# KiCad board SparkFun_Pro_Mini-ESP32_panelized.kicad_pcb (continued)
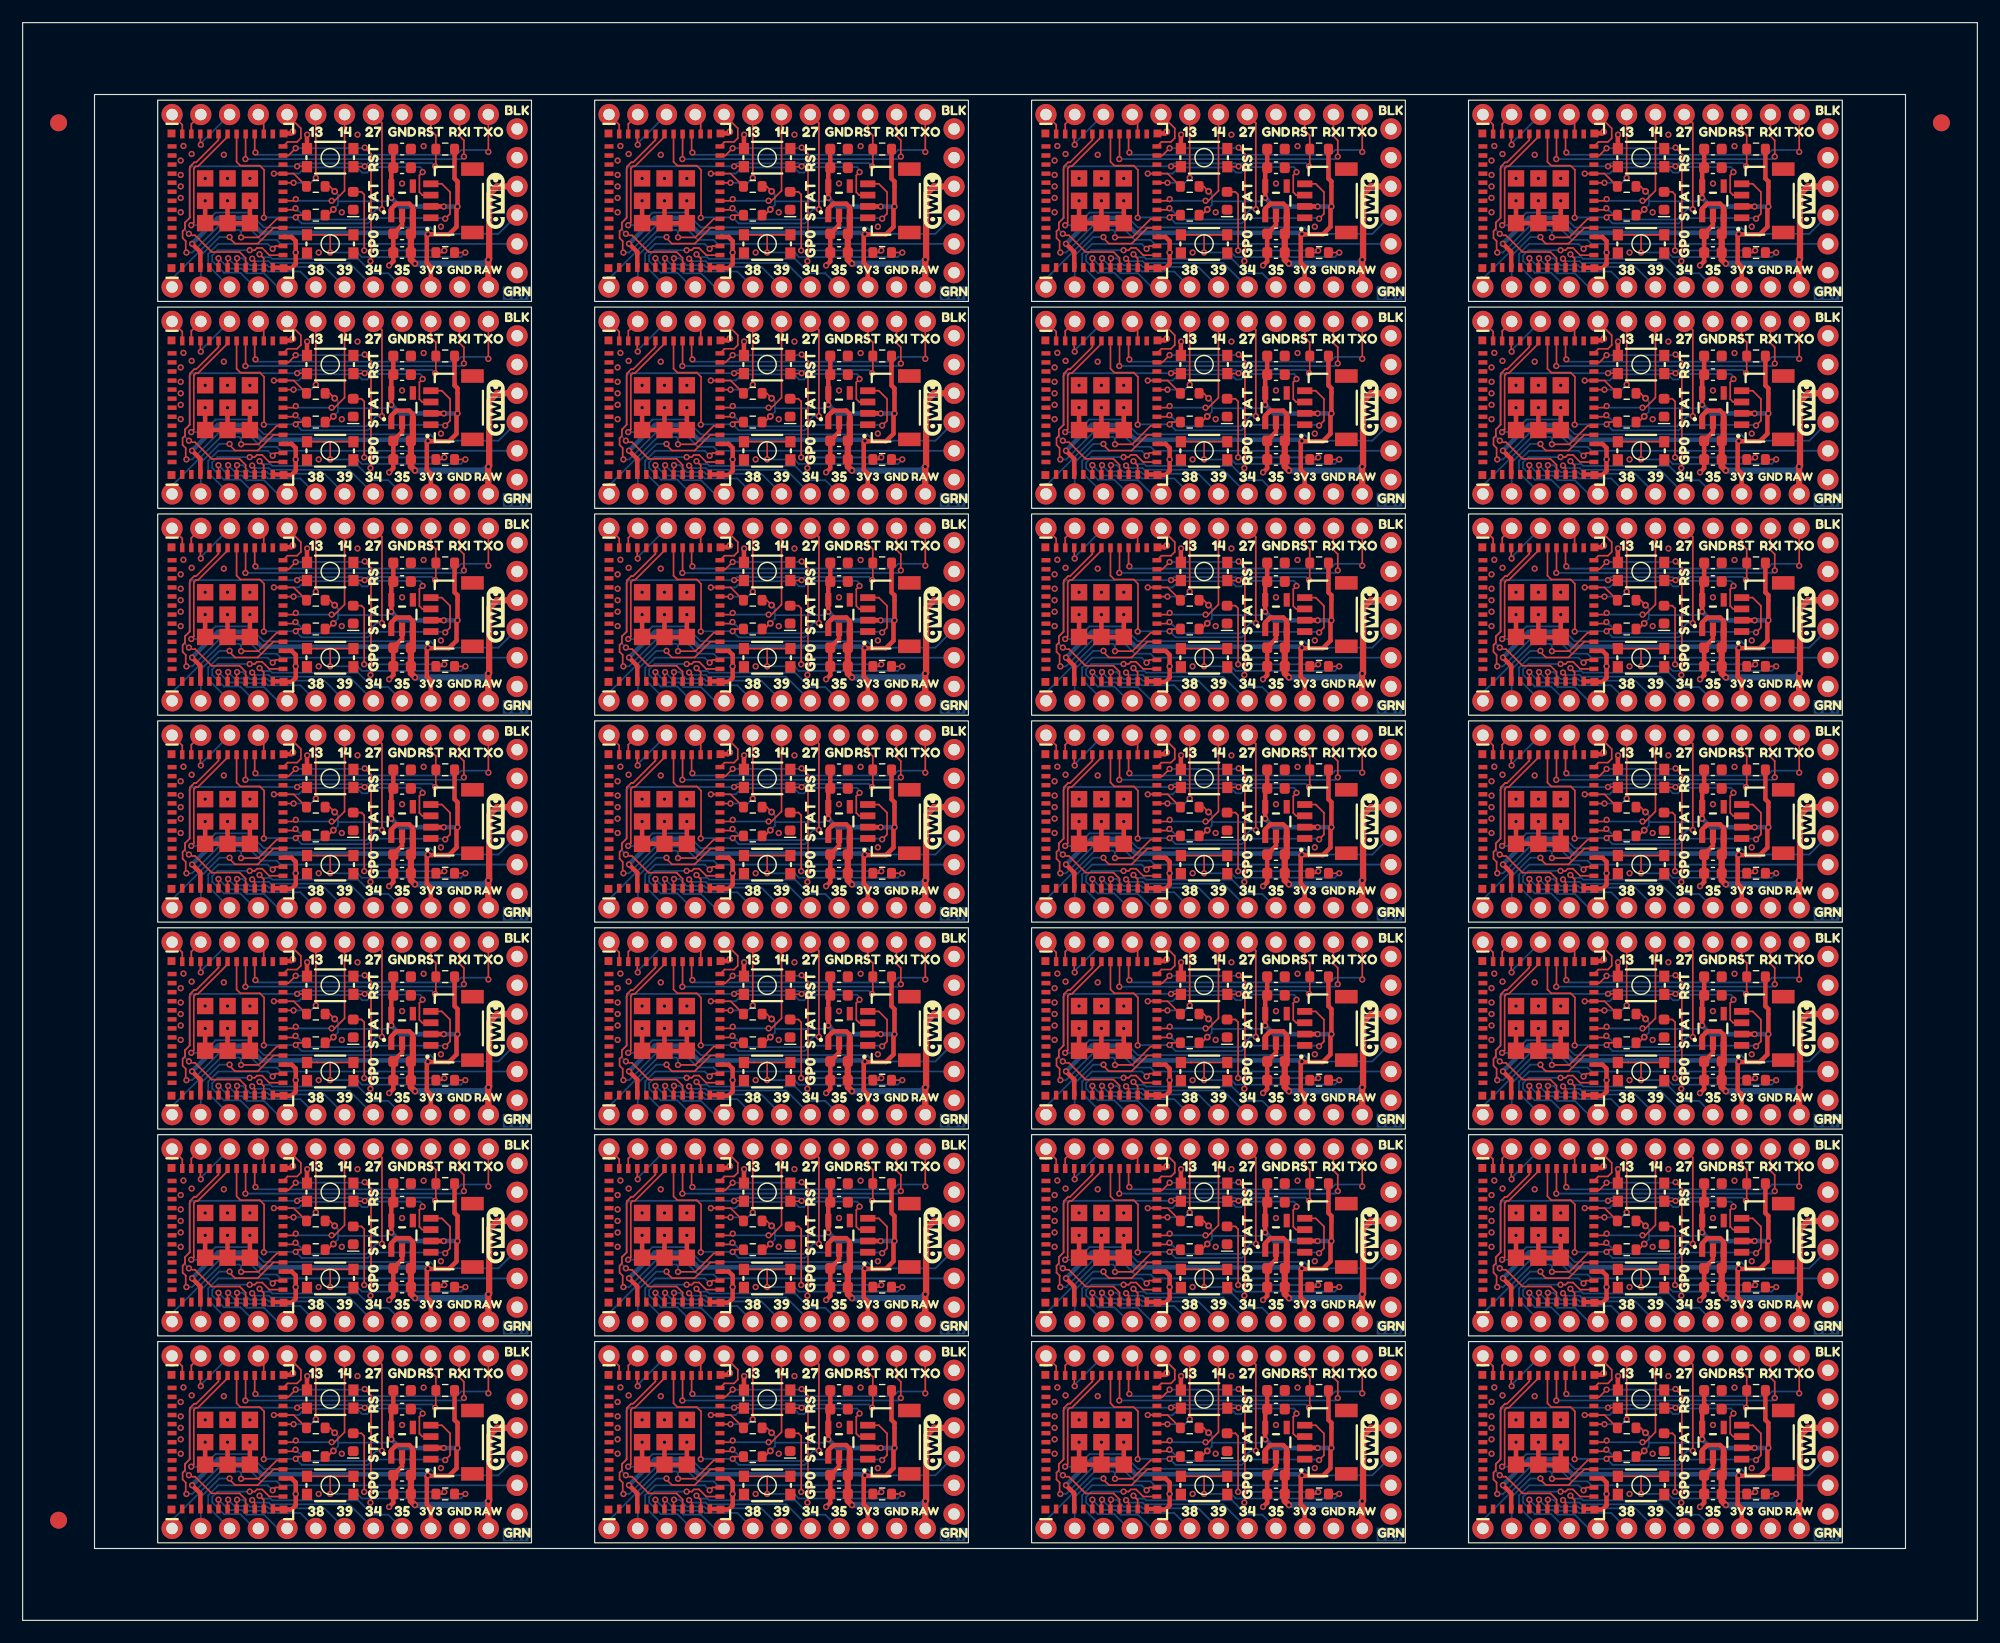
[diagram p0: board, top side]
## Placement (name value [footprint] x y rotation side) (continued)
kibuzzard-64DEDBD5#22  G***  [kibuzzard-64DEDBD5]  77.2 82.76 180 bottom
kibuzzard-64DEDBD5#23  G***  [kibuzzard-64DEDBD5]  154.4 46.2 180 bottom
kibuzzard-64DEDBD5#24  G***  [kibuzzard-64DEDBD5]  115.8 101.04 180 bottom
kibuzzard-64DEDBD5#25  G***  [kibuzzard-64DEDBD5]  38.6 101.04 180 bottom
kibuzzard-64DEDBD5#26  G***  [kibuzzard-64DEDBD5]  154.4 82.76 180 bottom
kibuzzard-64DEDBD5#27  G***  [kibuzzard-64DEDBD5]  38.6 64.48 180 bottom
kibuzzard-64DEDBD5#28  G***  [kibuzzard-64DEDBD5]  154.4 9.64 180 bottom
kibuzzard-64DEDBDA  G***  [kibuzzard-64DEDBDA]  118.34 82.76 180 bottom
kibuzzard-64DEDBDA#2  G***  [kibuzzard-64DEDBDA]  79.74 46.2 180 bottom
kibuzzard-64DEDBDA#3  G***  [kibuzzard-64DEDBDA]  41.14 101.04 180 bottom
kibuzzard-64DEDBDA#4  G***  [kibuzzard-64DEDBDA]  41.14 9.64 180 bottom
kibuzzard-64DEDBDA#5  G***  [kibuzzard-64DEDBDA]  118.34 46.2 180 bottom
kibuzzard-64DEDBDA#6  G***  [kibuzzard-64DEDBDA]  156.94 82.76 180 bottom
kibuzzard-64DEDBDA#7  G***  [kibuzzard-64DEDBDA]  156.94 9.64 180 bottom
kibuzzard-64DEDBDA#8  G***  [kibuzzard-64DEDBDA]  118.34 119.32 180 bottom
kibuzzard-64DEDBDA#9  G***  [kibuzzard-64DEDBDA]  79.74 9.64 180 bottom
kibuzzard-64DEDBDA#10  G***  [kibuzzard-64DEDBDA]  41.14 64.48 180 bottom
kibuzzard-64DEDBDA#11  G***  [kibuzzard-64DEDBDA]  156.94 46.2 180 bottom
kibuzzard-64DEDBDA#12  G***  [kibuzzard-64DEDBDA]  79.74 101.04 180 bottom
kibuzzard-64DEDBDA#13  G***  [kibuzzard-64DEDBDA]  118.34 101.04 180 bottom
kibuzzard-64DEDBDA#14  G***  [kibuzzard-64DEDBDA]  156.94 27.92 180 bottom
kibuzzard-64DEDBDA#15  G***  [kibuzzard-64DEDBDA]  79.74 119.32 180 bottom
kibuzzard-64DEDBDA#16  G***  [kibuzzard-64DEDBDA]  118.34 64.48 180 bottom
kibuzzard-64DEDBDA#17  G***  [kibuzzard-64DEDBDA]  79.74 82.76 180 bottom
kibuzzard-64DEDBDA#18  G***  [kibuzzard-64DEDBDA]  118.34 9.64 180 bottom
kibuzzard-64DEDBDA#19  G***  [kibuzzard-64DEDBDA]  41.14 46.2 180 bottom
kibuzzard-64DEDBDA#20  G***  [kibuzzard-64DEDBDA]  79.74 64.48 180 bottom
kibuzzard-64DEDBDA#21  G***  [kibuzzard-64DEDBDA]  156.94 119.32 180 bottom
kibuzzard-64DEDBDA#22  G***  [kibuzzard-64DEDBDA]  79.74 27.92 180 bottom
kibuzzard-64DEDBDA#23  G***  [kibuzzard-64DEDBDA]  118.34 27.92 180 bottom
kibuzzard-64DEDBDA#24  G***  [kibuzzard-64DEDBDA]  41.14 82.76 180 bottom
kibuzzard-64DEDBDA#25  G***  [kibuzzard-64DEDBDA]  156.94 64.48 180 bottom
kibuzzard-64DEDBDA#26  G***  [kibuzzard-64DEDBDA]  156.94 101.04 180 bottom
kibuzzard-64DEDBDA#27  G***  [kibuzzard-64DEDBDA]  41.14 27.92 180 bottom
kibuzzard-64DEDBDA#28  G***  [kibuzzard-64DEDBDA]  41.14 119.32 180 bottom
kibuzzard-64DEDCED  G***  [kibuzzard-64DEDCED]  41.14 21.84 0 top
kibuzzard-64DEDCED#2  G***  [kibuzzard-64DEDCED]  118.34 131.52 0 top
kibuzzard-64DEDCED#3  G***  [kibuzzard-64DEDCED]  118.34 94.96 0 top
kibuzzard-64DEDCED#4  G***  [kibuzzard-64DEDCED]  118.34 113.24 0 top
kibuzzard-64DEDCED#5  G***  [kibuzzard-64DEDCED]  41.14 131.52 0 top
kibuzzard-64DEDCED#6  G***  [kibuzzard-64DEDCED]  41.14 40.12 0 top
kibuzzard-64DEDCED#7  G***  [kibuzzard-64DEDCED]  156.94 131.52 0 top
kibuzzard-64DEDCED#8  G***  [kibuzzard-64DEDCED]  156.94 58.4 0 top
kibuzzard-64DEDCED#9  G***  [kibuzzard-64DEDCED]  118.34 21.84 0 top
kibuzzard-64DEDCED#10  G***  [kibuzzard-64DEDCED]  156.94 40.12 0 top
kibuzzard-64DEDCED#11  G***  [kibuzzard-64DEDCED]  79.74 76.68 0 top
kibuzzard-64DEDCED#12  G***  [kibuzzard-64DEDCED]  41.14 94.96 0 top
kibuzzard-64DEDCED#13  G***  [kibuzzard-64DEDCED]  118.34 76.68 0 top
kibuzzard-64DEDCED#14  G***  [kibuzzard-64DEDCED]  41.14 113.24 0 top
kibuzzard-64DEDCED#15  G***  [kibuzzard-64DEDCED]  156.94 21.84 0 top
kibuzzard-64DEDCED#16  G***  [kibuzzard-64DEDCED]  156.94 94.96 0 top
kibuzzard-64DEDCED#17  G***  [kibuzzard-64DEDCED]  41.14 58.4 0 top
kibuzzard-64DEDCED#18  G***  [kibuzzard-64DEDCED]  79.74 94.96 0 top
kibuzzard-64DEDCED#19  G***  [kibuzzard-64DEDCED]  41.14 76.68 0 top
kibuzzard-64DEDCED#20  G***  [kibuzzard-64DEDCED]  79.74 40.12 0 top
kibuzzard-64DEDCED#21  G***  [kibuzzard-64DEDCED]  79.74 131.52 0 top
kibuzzard-64DEDCED#22  G***  [kibuzzard-64DEDCED]  118.34 40.12 0 top
kibuzzard-64DEDCED#23  G***  [kibuzzard-64DEDCED]  118.34 58.4 0 top
kibuzzard-64DEDCED#24  G***  [kibuzzard-64DEDCED]  156.94 76.68 0 top
kibuzzard-64DEDCED#25  G***  [kibuzzard-64DEDCED]  79.74 21.84 0 top
kibuzzard-64DEDCED#26  G***  [kibuzzard-64DEDCED]  79.74 58.4 0 top
kibuzzard-64DEDCED#27  G***  [kibuzzard-64DEDCED]  79.74 113.24 0 top
kibuzzard-64DEDCED#28  G***  [kibuzzard-64DEDCED]  156.94 113.24 0 top
kibuzzard-64DEDCED#29  G***  [kibuzzard-64DEDCED]  42.16 121.61 270 bottom
kibuzzard-64DEDCED#30  G***  [kibuzzard-64DEDCED]  80.76 103.33 270 bottom
kibuzzard-64DEDCED#31  G***  [kibuzzard-64DEDCED]  157.96 103.33 270 bottom
kibuzzard-64DEDCED#32  G***  [kibuzzard-64DEDCED]  157.96 66.77 270 bottom
kibuzzard-64DEDCED#33  G***  [kibuzzard-64DEDCED]  42.16 48.49 270 bottom
kibuzzard-64DEDCED#34  G***  [kibuzzard-64DEDCED]  80.76 30.21 270 bottom
kibuzzard-64DEDCED#35  G***  [kibuzzard-64DEDCED]  42.16 11.93 270 bottom
kibuzzard-64DEDCED#36  G***  [kibuzzard-64DEDCED]  80.76 48.49 270 bottom
kibuzzard-64DEDCED#37  G***  [kibuzzard-64DEDCED]  119.36 30.21 270 bottom
kibuzzard-64DEDCED#38  G***  [kibuzzard-64DEDCED]  80.76 85.05 270 bottom
kibuzzard-64DEDCED#39  G***  [kibuzzard-64DEDCED]  80.76 11.93 270 bottom
kibuzzard-64DEDCED#40  G***  [kibuzzard-64DEDCED]  80.76 121.61 270 bottom
kibuzzard-64DEDCED#41  G***  [kibuzzard-64DEDCED]  157.96 85.05 270 bottom
kibuzzard-64DEDCED#42  G***  [kibuzzard-64DEDCED]  80.76 66.77 270 bottom
kibuzzard-64DEDCED#43  G***  [kibuzzard-64DEDCED]  157.96 30.21 270 bottom
kibuzzard-64DEDCED#44  G***  [kibuzzard-64DEDCED]  119.36 85.05 270 bottom
kibuzzard-64DEDCED#45  G***  [kibuzzard-64DEDCED]  119.36 66.77 270 bottom
kibuzzard-64DEDCED#46  G***  [kibuzzard-64DEDCED]  119.36 103.33 270 bottom
kibuzzard-64DEDCED#47  G***  [kibuzzard-64DEDCED]  157.96 48.49 270 bottom
kibuzzard-64DEDCED#48  G***  [kibuzzard-64DEDCED]  42.16 103.33 270 bottom
kibuzzard-64DEDCED#49  G***  [kibuzzard-64DEDCED]  119.36 48.49 270 bottom
kibuzzard-64DEDCED#50  G***  [kibuzzard-64DEDCED]  157.96 11.93 270 bottom
kibuzzard-64DEDCED#51  G***  [kibuzzard-64DEDCED]  157.96 121.61 270 bottom
kibuzzard-64DEDCED#52  G***  [kibuzzard-64DEDCED]  119.36 11.93 270 bottom
kibuzzard-64DEDCED#53  G***  [kibuzzard-64DEDCED]  42.16 66.77 270 bottom
kibuzzard-64DEDCED#54  G***  [kibuzzard-64DEDCED]  119.36 121.61 270 bottom
kibuzzard-64DEDCED#55  G***  [kibuzzard-64DEDCED]  42.16 85.05 270 bottom
kibuzzard-64DEDCED#56  G***  [kibuzzard-64DEDCED]  42.16 30.21 270 bottom
kibuzzard-64DEDCF2  G***  [kibuzzard-64DEDCF2]  38.6 113.24 0 top
kibuzzard-64DEDCF2#2  G***  [kibuzzard-64DEDCF2]  154.4 113.24 0 top
kibuzzard-64DEDCF2#3  G***  [kibuzzard-64DEDCF2]  154.4 76.68 0 top
kibuzzard-64DEDCF2#4  G***  [kibuzzard-64DEDCF2]  38.6 21.84 0 top
kibuzzard-64DEDCF2#5  G***  [kibuzzard-64DEDCF2]  38.6 58.4 0 top
kibuzzard-64DEDCF2#6  G***  [kibuzzard-64DEDCF2]  77.2 58.4 0 top
kibuzzard-64DEDCF2#7  G***  [kibuzzard-64DEDCF2]  38.6 94.96 0 top
kibuzzard-64DEDCF2#8  G***  [kibuzzard-64DEDCF2]  77.2 131.52 0 top
kibuzzard-64DEDCF2#9  G***  [kibuzzard-64DEDCF2]  115.8 94.96 0 top
kibuzzard-64DEDCF2#10  G***  [kibuzzard-64DEDCF2]  38.6 76.68 0 top
kibuzzard-64DEDCF2#11  G***  [kibuzzard-64DEDCF2]  77.2 40.12 0 top
kibuzzard-64DEDCF2#12  G***  [kibuzzard-64DEDCF2]  154.4 94.96 0 top
kibuzzard-64DEDCF2#13  G***  [kibuzzard-64DEDCF2]  154.4 58.4 0 top
kibuzzard-64DEDCF2#14  G***  [kibuzzard-64DEDCF2]  154.4 21.84 0 top
kibuzzard-64DEDCF2#15  G***  [kibuzzard-64DEDCF2]  77.2 94.96 0 top
kibuzzard-64DEDCF2#16  G***  [kibuzzard-64DEDCF2]  154.4 131.52 0 top
kibuzzard-64DEDCF2#17  G***  [kibuzzard-64DEDCF2]  115.8 58.4 0 top
kibuzzard-64DEDCF2#18  G***  [kibuzzard-64DEDCF2]  115.8 76.68 0 top
kibuzzard-64DEDCF2#19  G***  [kibuzzard-64DEDCF2]  77.2 113.24 0 top
kibuzzard-64DEDCF2#20  G***  [kibuzzard-64DEDCF2]  154.4 40.12 0 top
kibuzzard-64DEDCF2#21  G***  [kibuzzard-64DEDCF2]  115.8 113.24 0 top
kibuzzard-64DEDCF2#22  G***  [kibuzzard-64DEDCF2]  38.6 40.12 0 top
kibuzzard-64DEDCF2#23  G***  [kibuzzard-64DEDCF2]  77.2 21.84 0 top
kibuzzard-64DEDCF2#24  G***  [kibuzzard-64DEDCF2]  38.6 131.52 0 top
kibuzzard-64DEDCF2#25  G***  [kibuzzard-64DEDCF2]  115.8 21.84 0 top
kibuzzard-64DEDCF2#26  G***  [kibuzzard-64DEDCF2]  115.8 131.52 0 top
kibuzzard-64DEDCF2#27  G***  [kibuzzard-64DEDCF2]  115.8 40.12 0 top
kibuzzard-64DEDCF2#28  G***  [kibuzzard-64DEDCF2]  77.2 76.68 0 top
kibuzzard-64DEDCF2#29  G***  [kibuzzard-64DEDCF2]  119.36 14.47 270 bottom
kibuzzard-64DEDCF2#30  G***  [kibuzzard-64DEDCF2]  157.96 87.59 270 bottom
kibuzzard-64DEDCF2#31  G***  [kibuzzard-64DEDCF2]  80.76 69.31 270 bottom
kibuzzard-64DEDCF2#32  G***  [kibuzzard-64DEDCF2]  80.76 14.47 270 bottom
kibuzzard-64DEDCF2#33  G***  [kibuzzard-64DEDCF2]  42.16 32.75 270 bottom
kibuzzard-64DEDCF2#34  G***  [kibuzzard-64DEDCF2]  157.96 51.03 270 bottom
kibuzzard-64DEDCF2#35  G***  [kibuzzard-64DEDCF2]  42.16 14.47 270 bottom
kibuzzard-64DEDCF2#36  G***  [kibuzzard-64DEDCF2]  80.76 32.75 270 bottom
kibuzzard-64DEDCF2#37  G***  [kibuzzard-64DEDCF2]  119.36 51.03 270 bottom
kibuzzard-64DEDCF2#38  G***  [kibuzzard-64DEDCF2]  42.16 87.59 270 bottom
kibuzzard-64DEDCF2#39  G***  [kibuzzard-64DEDCF2]  157.96 124.15 270 bottom
kibuzzard-64DEDCF2#40  G***  [kibuzzard-64DEDCF2]  157.96 32.75 270 bottom
kibuzzard-64DEDCF2#41  G***  [kibuzzard-64DEDCF2]  80.76 87.59 270 bottom
kibuzzard-64DEDCF2#42  G***  [kibuzzard-64DEDCF2]  42.16 105.87 270 bottom
kibuzzard-64DEDCF2#43  G***  [kibuzzard-64DEDCF2]  42.16 51.03 270 bottom
kibuzzard-64DEDCF2#44  G***  [kibuzzard-64DEDCF2]  42.16 124.15 270 bottom
kibuzzard-64DEDCF2#45  G***  [kibuzzard-64DEDCF2]  157.96 105.87 270 bottom
kibuzzard-64DEDCF2#46  G***  [kibuzzard-64DEDCF2]  119.36 105.87 270 bottom
kibuzzard-64DEDCF2#47  G***  [kibuzzard-64DEDCF2]  157.96 69.31 270 bottom
kibuzzard-64DEDCF2#48  G***  [kibuzzard-64DEDCF2]  119.36 124.15 270 bottom
kibuzzard-64DEDCF2#49  G***  [kibuzzard-64DEDCF2]  42.16 69.31 270 bottom
kibuzzard-64DEDCF2#50  G***  [kibuzzard-64DEDCF2]  80.76 51.03 270 bottom
kibuzzard-64DEDCF2#51  G***  [kibuzzard-64DEDCF2]  119.36 32.75 270 bottom
kibuzzard-64DEDCF2#52  G***  [kibuzzard-64DEDCF2]  80.76 124.15 270 bottom
kibuzzard-64DEDCF2#53  G***  [kibuzzard-64DEDCF2]  119.36 87.59 270 bottom
kibuzzard-64DEDCF2#54  G***  [kibuzzard-64DEDCF2]  119.36 69.31 270 bottom
kibuzzard-64DEDCF2#55  G***  [kibuzzard-64DEDCF2]  157.96 14.47 270 bottom
kibuzzard-64DEDCF2#56  G***  [kibuzzard-64DEDCF2]  80.76 105.87 270 bottom
kibuzzard-64DEDD0E  G***  [kibuzzard-64DEDD0E]  41.14 82.76 0 top
kibuzzard-64DEDD0E#2  G***  [kibuzzard-64DEDD0E]  118.34 82.76 0 top
kibuzzard-64DEDD0E#3  G***  [kibuzzard-64DEDD0E]  41.14 27.92 0 top
kibuzzard-64DEDD0E#4  G***  [kibuzzard-64DEDD0E]  79.74 64.48 0 top
kibuzzard-64DEDD0E#5  G***  [kibuzzard-64DEDD0E]  156.94 9.64 0 top
kibuzzard-64DEDD0E#6  G***  [kibuzzard-64DEDD0E]  156.94 101.04 0 top
kibuzzard-64DEDD0E#7  G***  [kibuzzard-64DEDD0E]  156.94 46.2 0 top
kibuzzard-64DEDD0E#8  G***  [kibuzzard-64DEDD0E]  118.34 27.92 0 top
kibuzzard-64DEDD0E#9  G***  [kibuzzard-64DEDD0E]  41.14 9.64 0 top
kibuzzard-64DEDD0E#10  G***  [kibuzzard-64DEDD0E]  118.34 101.04 0 top
kibuzzard-64DEDD0E#11  G***  [kibuzzard-64DEDD0E]  79.74 27.92 0 top
kibuzzard-64DEDD0E#12  G***  [kibuzzard-64DEDD0E]  118.34 9.64 0 top
kibuzzard-64DEDD0E#13  G***  [kibuzzard-64DEDD0E]  79.74 101.04 0 top
kibuzzard-64DEDD0E#14  G***  [kibuzzard-64DEDD0E]  41.14 46.2 0 top
kibuzzard-64DEDD0E#15  G***  [kibuzzard-64DEDD0E]  156.94 119.32 0 top
kibuzzard-64DEDD0E#16  G***  [kibuzzard-64DEDD0E]  79.74 119.32 0 top
kibuzzard-64DEDD0E#17  G***  [kibuzzard-64DEDD0E]  156.94 82.76 0 top
kibuzzard-64DEDD0E#18  G***  [kibuzzard-64DEDD0E]  118.34 119.32 0 top
kibuzzard-64DEDD0E#19  G***  [kibuzzard-64DEDD0E]  79.74 9.64 0 top
kibuzzard-64DEDD0E#20  G***  [kibuzzard-64DEDD0E]  79.74 82.76 0 top
kibuzzard-64DEDD0E#21  G***  [kibuzzard-64DEDD0E]  41.14 119.32 0 top
kibuzzard-64DEDD0E#22  G***  [kibuzzard-64DEDD0E]  118.34 64.48 0 top
kibuzzard-64DEDD0E#23  G***  [kibuzzard-64DEDD0E]  156.94 64.48 0 top
kibuzzard-64DEDD0E#24  G***  [kibuzzard-64DEDD0E]  118.34 46.2 0 top
kibuzzard-64DEDD0E#25  G***  [kibuzzard-64DEDD0E]  156.94 27.92 0 top
kibuzzard-64DEDD0E#26  G***  [kibuzzard-64DEDD0E]  79.74 46.2 0 top
kibuzzard-64DEDD0E#27  G***  [kibuzzard-64DEDD0E]  41.14 101.04 0 top
kibuzzard-64DEDD0E#28  G***  [kibuzzard-64DEDD0E]  41.14 64.48 0 top
kibuzzard-64DEDD6B  G***  [kibuzzard-64DEDD6B]  144.24 85.05 180 bottom
kibuzzard-64DEDD6B#2  G***  [kibuzzard-64DEDD6B]  28.44 103.33 180 bottom
kibuzzard-64DEDD6B#3  G***  [kibuzzard-64DEDD6B]  28.44 11.93 180 bottom
kibuzzard-64DEDD6B#4  G***  [kibuzzard-64DEDD6B]  67.04 85.05 180 bottom
kibuzzard-64DEDD6B#5  G***  [kibuzzard-64DEDD6B]  105.64 121.61 180 bottom
kibuzzard-64DEDD6B#6  G***  [kibuzzard-64DEDD6B]  105.64 30.21 180 bottom
kibuzzard-64DEDD6B#7  G***  [kibuzzard-64DEDD6B]  67.04 30.21 180 bottom
kibuzzard-64DEDD6B#8  G***  [kibuzzard-64DEDD6B]  67.04 103.33 180 bottom
kibuzzard-64DEDD6B#9  G***  [kibuzzard-64DEDD6B]  144.24 66.77 180 bottom
kibuzzard-64DEDD6B#10  G***  [kibuzzard-64DEDD6B]  105.64 85.05 180 bottom
kibuzzard-64DEDD6B#11  G***  [kibuzzard-64DEDD6B]  28.44 85.05 180 bottom
kibuzzard-64DEDD6B#12  G***  [kibuzzard-64DEDD6B]  144.24 11.93 180 bottom
kibuzzard-64DEDD6B#13  G***  [kibuzzard-64DEDD6B]  28.44 121.61 180 bottom
kibuzzard-64DEDD6B#14  G***  [kibuzzard-64DEDD6B]  28.44 48.49 180 bottom
kibuzzard-64DEDD6B#15  G***  [kibuzzard-64DEDD6B]  67.04 48.49 180 bottom
kibuzzard-64DEDD6B#16  G***  [kibuzzard-64DEDD6B]  105.64 103.33 180 bottom
kibuzzard-64DEDD6B#17  G***  [kibuzzard-64DEDD6B]  144.24 30.21 180 bottom
kibuzzard-64DEDD6B#18  G***  [kibuzzard-64DEDD6B]  144.24 103.33 180 bottom
kibuzzard-64DEDD6B#19  G***  [kibuzzard-64DEDD6B]  144.24 48.49 180 bottom
kibuzzard-64DEDD6B#20  G***  [kibuzzard-64DEDD6B]  144.24 121.61 180 bottom
kibuzzard-64DEDD6B#21  G***  [kibuzzard-64DEDD6B]  67.04 121.61 180 bottom
kibuzzard-64DEDD6B#22  G***  [kibuzzard-64DEDD6B]  105.64 48.49 180 bottom
kibuzzard-64DEDD6B#23  G***  [kibuzzard-64DEDD6B]  67.04 11.93 180 bottom
kibuzzard-64DEDD6B#24  G***  [kibuzzard-64DEDD6B]  67.04 66.77 180 bottom
kibuzzard-64DEDD6B#25  G***  [kibuzzard-64DEDD6B]  105.64 11.93 180 bottom
kibuzzard-64DEDD6B#26  G***  [kibuzzard-64DEDD6B]  28.44 66.77 180 bottom
kibuzzard-64DEDD6B#27  G***  [kibuzzard-64DEDD6B]  105.64 66.77 180 bottom
kibuzzard-64DEDD6B#28  G***  [kibuzzard-64DEDD6B]  28.44 30.21 180 bottom
kibuzzard-64DEDD08  G***  [kibuzzard-64DEDD08]  38.6 9.64 0 top
kibuzzard-64DEDD08#2  G***  [kibuzzard-64DEDD08]  154.4 82.76 0 top
kibuzzard-64DEDD08#3  G***  [kibuzzard-64DEDD08]  77.2 119.32 0 top
kibuzzard-64DEDD08#4  G***  [kibuzzard-64DEDD08]  38.6 101.04 0 top
kibuzzard-64DEDD08#5  G***  [kibuzzard-64DEDD08]  77.2 46.2 0 top
kibuzzard-64DEDD08#6  G***  [kibuzzard-64DEDD08]  77.2 64.48 0 top
kibuzzard-64DEDD08#7  G***  [kibuzzard-64DEDD08]  154.4 101.04 0 top
kibuzzard-64DEDD08#8  G***  [kibuzzard-64DEDD08]  115.8 64.48 0 top
kibuzzard-64DEDD08#9  G***  [kibuzzard-64DEDD08]  115.8 82.76 0 top
kibuzzard-64DEDD08#10  G***  [kibuzzard-64DEDD08]  77.2 82.76 0 top
kibuzzard-64DEDD08#11  G***  [kibuzzard-64DEDD08]  115.8 9.64 0 top
kibuzzard-64DEDD08#12  G***  [kibuzzard-64DEDD08]  115.8 46.2 0 top
kibuzzard-64DEDD08#13  G***  [kibuzzard-64DEDD08]  77.2 9.64 0 top
kibuzzard-64DEDD08#14  G***  [kibuzzard-64DEDD08]  38.6 64.48 0 top
kibuzzard-64DEDD08#15  G***  [kibuzzard-64DEDD08]  38.6 46.2 0 top
kibuzzard-64DEDD08#16  G***  [kibuzzard-64DEDD08]  77.2 27.92 0 top
kibuzzard-64DEDD08#17  G***  [kibuzzard-64DEDD08]  115.8 27.92 0 top
kibuzzard-64DEDD08#18  G***  [kibuzzard-64DEDD08]  154.4 46.2 0 top
kibuzzard-64DEDD08#19  G***  [kibuzzard-64DEDD08]  115.8 119.32 0 top
kibuzzard-64DEDD08#20  G***  [kibuzzard-64DEDD08]  38.6 119.32 0 top
kibuzzard-64DEDD08#21  G***  [kibuzzard-64DEDD08]  38.6 27.92 0 top
kibuzzard-64DEDD08#22  G***  [kibuzzard-64DEDD08]  77.2 101.04 0 top
kibuzzard-64DEDD08#23  G***  [kibuzzard-64DEDD08]  154.4 119.32 0 top
kibuzzard-64DEDD08#24  G***  [kibuzzard-64DEDD08]  154.4 64.48 0 top
kibuzzard-64DEDD08#25  G***  [kibuzzard-64DEDD08]  38.6 82.76 0 top
kibuzzard-64DEDD08#26  G***  [kibuzzard-64DEDD08]  154.4 9.64 0 top
kibuzzard-64DEDD08#27  G***  [kibuzzard-64DEDD08]  115.8 101.04 0 top
kibuzzard-64DEDD08#28  G***  [kibuzzard-64DEDD08]  154.4 27.92 0 top
kibuzzard-64DEDD54  G***  [kibuzzard-64DEDD54]  42.16 74.39 270 bottom
kibuzzard-64DEDD54#2  G***  [kibuzzard-64DEDD54]  119.36 56.11 270 bottom
kibuzzard-64DEDD54#3  G***  [kibuzzard-64DEDD54]  157.96 74.39 270 bottom
kibuzzard-64DEDD54#4  G***  [kibuzzard-64DEDD54]  80.76 74.39 270 bottom
kibuzzard-64DEDD54#5  G***  [kibuzzard-64DEDD54]  42.16 56.11 270 bottom
kibuzzard-64DEDD54#6  G***  [kibuzzard-64DEDD54]  80.76 110.95 270 bottom
kibuzzard-64DEDD54#7  G***  [kibuzzard-64DEDD54]  42.16 37.83 270 bottom
kibuzzard-64DEDD54#8  G***  [kibuzzard-64DEDD54]  80.76 37.83 270 bottom
kibuzzard-64DEDD54#9  G***  [kibuzzard-64DEDD54]  119.36 110.95 270 bottom
kibuzzard-64DEDD54#10  G***  [kibuzzard-64DEDD54]  157.96 19.55 270 bottom
kibuzzard-64DEDD54#11  G***  [kibuzzard-64DEDD54]  119.36 92.67 270 bottom
kibuzzard-64DEDD54#12  G***  [kibuzzard-64DEDD54]  119.36 74.39 270 bottom
kibuzzard-64DEDD54#13  G***  [kibuzzard-64DEDD54]  42.16 92.67 270 bottom
kibuzzard-64DEDD54#14  G***  [kibuzzard-64DEDD54]  42.16 19.55 270 bottom
kibuzzard-64DEDD54#15  G***  [kibuzzard-64DEDD54]  42.16 129.23 270 bottom
kibuzzard-64DEDD54#16  G***  [kibuzzard-64DEDD54]  157.96 110.95 270 bottom
kibuzzard-64DEDD54#17  G***  [kibuzzard-64DEDD54]  80.76 92.67 270 bottom
kibuzzard-64DEDD54#18  G***  [kibuzzard-64DEDD54]  42.16 110.95 270 bottom
kibuzzard-64DEDD54#19  G***  [kibuzzard-64DEDD54]  157.96 56.11 270 bottom
kibuzzard-64DEDD54#20  G***  [kibuzzard-64DEDD54]  157.96 129.23 270 bottom
kibuzzard-64DEDD54#21  G***  [kibuzzard-64DEDD54]  157.96 37.83 270 bottom
kibuzzard-64DEDD54#22  G***  [kibuzzard-64DEDD54]  119.36 37.83 270 bottom
kibuzzard-64DEDD54#23  G***  [kibuzzard-64DEDD54]  119.36 19.55 270 bottom
kibuzzard-64DEDD54#24  G***  [kibuzzard-64DEDD54]  80.76 129.23 270 bottom
kibuzzard-64DEDD54#25  G***  [kibuzzard-64DEDD54]  157.96 92.67 270 bottom
kibuzzard-64DEDD54#26  G***  [kibuzzard-64DEDD54]  80.76 56.11 270 bottom
kibuzzard-64DEDD54#27  G***  [kibuzzard-64DEDD54]  119.36 129.23 270 bottom
kibuzzard-64DEDD54#28  G***  [kibuzzard-64DEDD54]  80.76 19.55 270 bottom
kibuzzard-64DEDD57  G***  [kibuzzard-64DEDD57]  119.36 53.57 270 bottom
kibuzzard-64DEDD57#2  G***  [kibuzzard-64DEDD57]  80.76 35.29 270 bottom
kibuzzard-64DEDD57#3  G***  [kibuzzard-64DEDD57]  119.36 35.29 270 bottom
kibuzzard-64DEDD57#4  G***  [kibuzzard-64DEDD57]  119.36 90.13 270 bottom
kibuzzard-64DEDD57#5  G***  [kibuzzard-64DEDD57]  157.96 126.69 270 bottom
kibuzzard-64DEDD57#6  G***  [kibuzzard-64DEDD57]  157.96 53.57 270 bottom
kibuzzard-64DEDD57#7  G***  [kibuzzard-64DEDD57]  42.16 108.41 270 bottom
kibuzzard-64DEDD57#8  G***  [kibuzzard-64DEDD57]  119.36 108.41 270 bottom
kibuzzard-64DEDD57#9  G***  [kibuzzard-64DEDD57]  42.16 17.01 270 bottom
kibuzzard-64DEDD57#10  G***  [kibuzzard-64DEDD57]  80.76 71.85 270 bottom
kibuzzard-64DEDD57#11  G***  [kibuzzard-64DEDD57]  42.16 35.29 270 bottom
kibuzzard-64DEDD57#12  G***  [kibuzzard-64DEDD57]  42.16 90.13 270 bottom
kibuzzard-64DEDD57#13  G***  [kibuzzard-64DEDD57]  157.96 108.41 270 bottom
kibuzzard-64DEDD57#14  G***  [kibuzzard-64DEDD57]  119.36 17.01 270 bottom
kibuzzard-64DEDD57#15  G***  [kibuzzard-64DEDD57]  42.16 71.85 270 bottom
kibuzzard-64DEDD57#16  G***  [kibuzzard-64DEDD57]  119.36 126.69 270 bottom
kibuzzard-64DEDD57#17  G***  [kibuzzard-64DEDD57]  80.76 90.13 270 bottom
kibuzzard-64DEDD57#18  G***  [kibuzzard-64DEDD57]  80.76 108.41 270 bottom
kibuzzard-64DEDD57#19  G***  [kibuzzard-64DEDD57]  157.96 71.85 270 bottom
kibuzzard-64DEDD57#20  G***  [kibuzzard-64DEDD57]  42.16 53.57 270 bottom
kibuzzard-64DEDD57#21  G***  [kibuzzard-64DEDD57]  157.96 90.13 270 bottom
kibuzzard-64DEDD57#22  G***  [kibuzzard-64DEDD57]  119.36 71.85 270 bottom
kibuzzard-64DEDD57#23  G***  [kibuzzard-64DEDD57]  80.76 53.57 270 bottom
kibuzzard-64DEDD57#24  G***  [kibuzzard-64DEDD57]  80.76 126.69 270 bottom
kibuzzard-64DEDD57#25  G***  [kibuzzard-64DEDD57]  157.96 17.01 270 bottom
kibuzzard-64DEDD57#26  G***  [kibuzzard-64DEDD57]  80.76 17.01 270 bottom
kibuzzard-64DEDD57#27  G***  [kibuzzard-64DEDD57]  157.96 35.29 270 bottom
kibuzzard-64DEDD57#28  G***  [kibuzzard-64DEDD57]  42.16 126.69 270 bottom
kibuzzard-64DEDD67  G***  [kibuzzard-64DEDD67]  28.44 10.66 180 bottom
kibuzzard-64DEDD67#2  G***  [kibuzzard-64DEDD67]  28.44 83.78 180 bottom
kibuzzard-64DEDD67#3  G***  [kibuzzard-64DEDD67]  67.04 10.66 180 bottom
kibuzzard-64DEDD67#4  G***  [kibuzzard-64DEDD67]  105.64 120.34 180 bottom
kibuzzard-64DEDD67#5  G***  [kibuzzard-64DEDD67]  105.64 10.66 180 bottom
kibuzzard-64DEDD67#6  G***  [kibuzzard-64DEDD67]  144.24 102.06 180 bottom
kibuzzard-64DEDD67#7  G***  [kibuzzard-64DEDD67]  67.04 65.5 180 bottom
kibuzzard-64DEDD67#8  G***  [kibuzzard-64DEDD67]  67.04 102.06 180 bottom
kibuzzard-64DEDD67#9  G***  [kibuzzard-64DEDD67]  105.64 102.06 180 bottom
kibuzzard-64DEDD67#10  G***  [kibuzzard-64DEDD67]  105.64 65.5 180 bottom
kibuzzard-64DEDD67#11  G***  [kibuzzard-64DEDD67]  144.24 83.78 180 bottom
kibuzzard-64DEDD67#12  G***  [kibuzzard-64DEDD67]  105.64 47.22 180 bottom
kibuzzard-64DEDD67#13  G***  [kibuzzard-64DEDD67]  144.24 10.66 180 bottom
kibuzzard-64DEDD67#14  G***  [kibuzzard-64DEDD67]  28.44 28.94 180 bottom
kibuzzard-64DEDD67#15  G***  [kibuzzard-64DEDD67]  144.24 65.5 180 bottom
kibuzzard-64DEDD67#16  G***  [kibuzzard-64DEDD67]  105.64 83.78 180 bottom
kibuzzard-64DEDD67#17  G***  [kibuzzard-64DEDD67]  28.44 47.22 180 bottom
kibuzzard-64DEDD67#18  G***  [kibuzzard-64DEDD67]  67.04 120.34 180 bottom
kibuzzard-64DEDD67#19  G***  [kibuzzard-64DEDD67]  28.44 102.06 180 bottom